# Allegro board visualscope2.0.brd (continued)
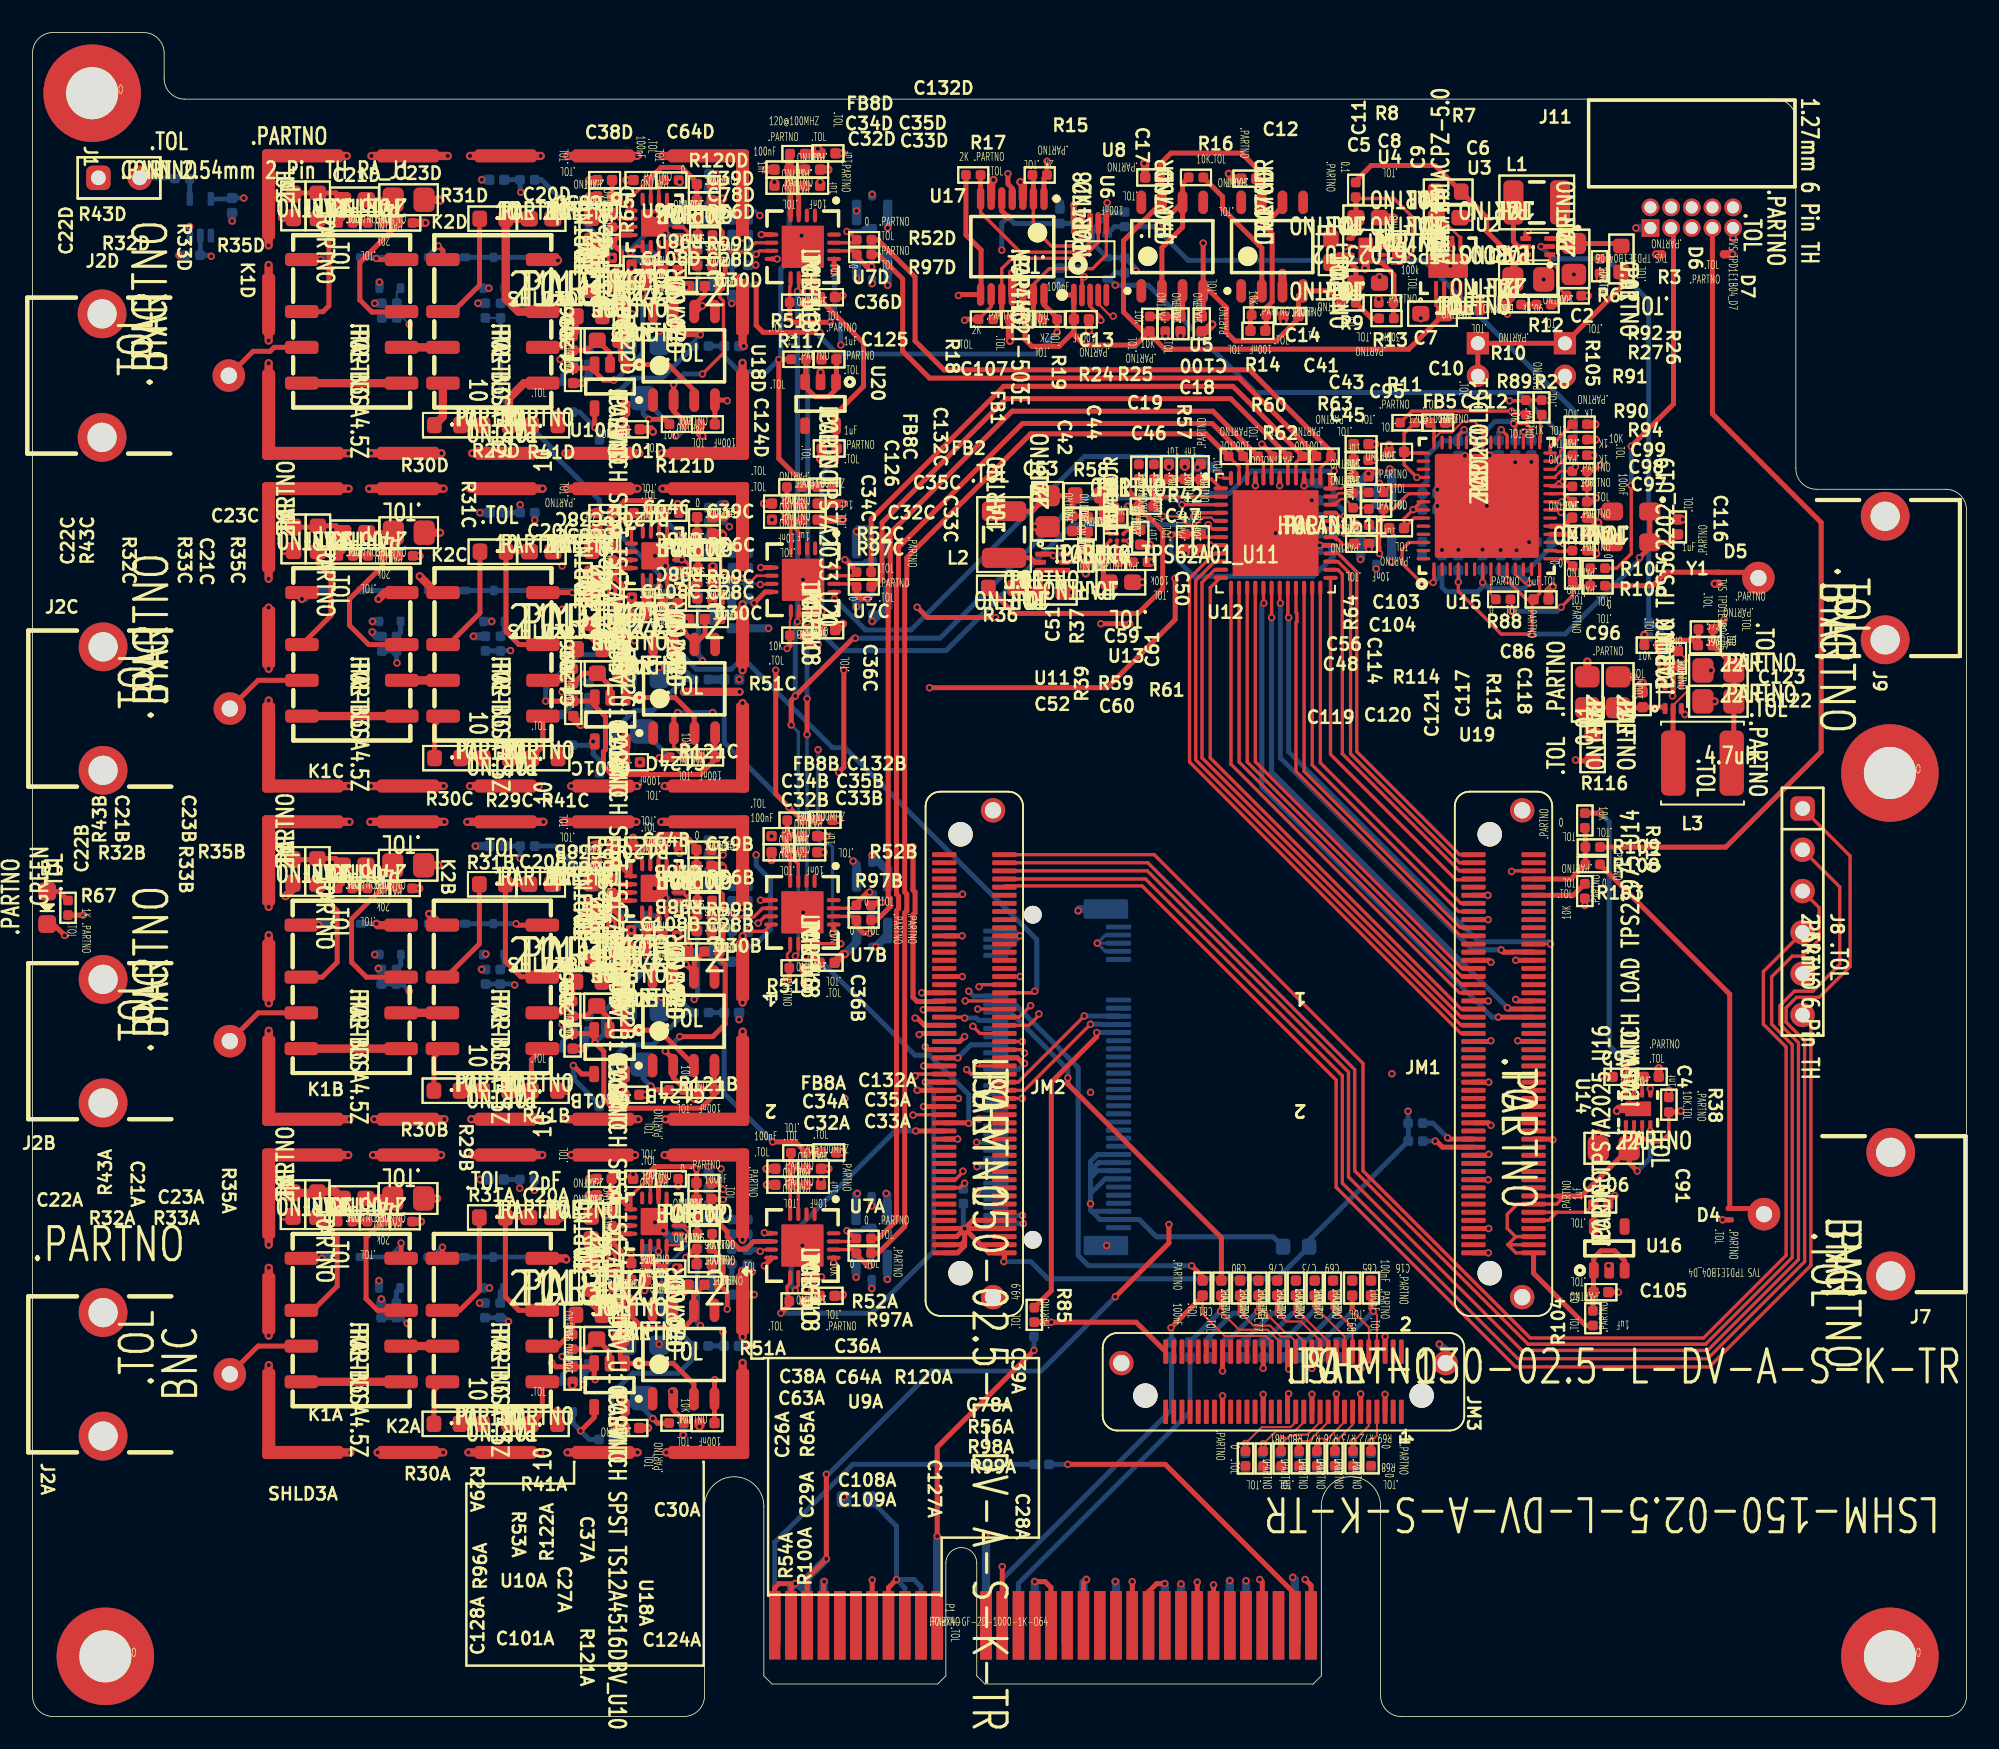
[diagram p0: board, top side]
## Routing (per net, layer and track width the routed paths; a pad name or vN(x,y) marks a point on that pad's centre or on a via; arc(x,y) is an arc through that point) (continued)
VDDH: length 51.4
  TOP w0.127: v1(89.36,79.04) 88.72,79.67 88,79.67 87.32,78.99 86.61,78.99 86.23,78.61 ; v1(94.18,72.18) 94.06,72.18 94.01,72.23 U15.17 ; v1(92.1,69.71) 91.82,69.71 91.23,70.3 U15.11
  TOP w0.203: C95.1 84.46,77.73 U15.43 ; C95.1 84.39,77.02 v1(85.18,76.23) ; C95.1 84.39,78.93 FB5.2 C112.1 86.23,79.36 U15.42 ; U15.30 92.23,79.21 92.23,79.22 92.23,79.23 91.91,79.55 v1(91.13,79.55) 91.23,79.45 U15.32 ; U15.36 89.23,78.92 v1(89.36,79.04) ; U15.54 84.71,72.23 84.28,71.8 84.28,70.94 85.44,69.77 v1(86.18,69.77) 86.23,69.82 U15.1 ; v1(89.23,69.77) 89.23,69.77 U15.7
  PWR4 w0.305: v1(94.18,72.18) 90.13,76.23 v1(85.18,76.23)
  BOTTOM w0.305: C113.1 89.23,70.51 v1(89.23,69.77) ; v1(86.18,69.77) 86.73,70.31 ; 86.73,70.31 86.73,69.47 87,69.21 88.92,69.21 89.23,69.51 v1(89.23,69.77) ; 86.73,70.31 C90.1 ; v1(89.36,79.04) 89.99,79.67 91.01,79.67 v1(91.13,79.55) 91.16,79.57 91.23,79.5 C88.1 ; v1(89.23,69.77) 89.61,69.39 91.77,69.39 v1(92.1,69.71) 92.1,69.74 C93.1 92.02,70.53 93.46,71.97 C94.1 94.12,72.24 v1(94.18,72.18)
+VBIAS: length 107.7
  TOP w0.305: U8.6 70.76,94.31 R16.1 ; U8.6 69.54,91.94 v1(69.54,91.86) ; U8.6 70.76,91.63 69.49,90.36 U8.2
  PWR3 w0.305: v1(44.76,92.34) 43.86,92.34 42.94,91.43 42.94,88.62 43.76,87.8 43.76,85.39 43.13,84.75 43.13,83.1 43.51,82.72 43.51,73.83 v1(42.87,73.2) 43,73.07 43,72.43 42.37,71.8 42.37,53.13 v1(42.49,53) 41.86,52.37 41.86,48.56 42.37,48.05 v1(42.37,33.7)
  PWR4 w0.305: v1(44.76,92.34) 50.15,92.34 50.37,92.12 51,92.12 51.22,92.34 52.69,92.34 53.42,91.61 69.29,91.61 v1(69.54,91.86)
  BOTTOM w0.127: FB6B.1 C130B.1 42.47,52.97 v1(42.49,53)
  BOTTOM w0.203: FB6D.1 41.89,92.98 42.24,92.63 44.47,92.63 v1(44.76,92.34) ; C130A.1 42.37,33.23 v1(42.37,33.7)
  BOTTOM w0.305: FB6D.1 C130D.1 ; FB6A.1 C130A.1 ; v1(42.87,73.2) 42.62,73.45 C130C.1 FB6C.1
+VFFE_FRONT END_CH1: length 39.6
  TOP w0.203: U9A.1 36.81,32.02 C64A.2 38.01,32.94 U9A.15 ; U9A.12 40.22,31.2 C78A.2
  TOP w0.305: C78A.2 C39A.1 v1(40.85,33.69) 40.71,33.83 38.3,33.83 37.87,33.4 C64A.2 ; U9A.1 35.94,32.07 C63A.1 C38A.1 ; v1(35.64,18.08) 35.97,17.75 C101A.2 36.46,17.79 U10A.5 ; v1(38.71,26.56) C37A.2 39.42,26.54 U18A.7
  BOTTOM w0.203: v1(40.85,33.69) 40.85,29.56 38.71,27.42 v1(38.71,26.56)
  BOTTOM w0.305: v1(38.71,26.56) 38.71,24.77 FB9A.2 40.67,22.04 39.76,21.13 36.93,21.13 35.64,19.83 v1(35.64,18.08) 35.76,17.96 R125A.2
+VFFE_FRONT END_CH2: length 34.6
  TOP w0.203: C78B.2 40.22,51.7 U9B.12 39.71,52.38 v1(39.83,52.49) ; U9B.1 36.81,52.52 C64B.2 38.01,53.43 U9B.15
  TOP w0.305: v1(39.7,44.49) 39.42,44.77 U18B.7 39.44,45.51 C37B.2 v1(39.19,47.06) ; U10B.5 36.42,39.49 C101B.2 v1(35.66,38.25) ; C78B.2 C39B.1 40.85,53.5 40.08,54.27 38.56,54.27 37.87,53.59 C64B.2 ; C38B.1 C63B.1 35.94,52.57 U9B.1
  PWR3 w0.305: v1(39.83,52.49) 39.7,52.37 39.7,50.38 39.19,49.87 v1(39.19,47.06)
  BOTTOM w0.305: 40.61,43.3 40.16,43.3 38.18,41.32 36.52,41.32 35.64,40.43 35.64,38.27 v1(35.66,38.25) 35.77,38.14 R125B.2 ; 40.61,43.3 FB9B.2 ; 40.61,43.3 39.7,44.21 v1(39.7,44.49)
+VFFE_FRONT END_CH3: length 35
  TOP w0.127: C37C.2 39.54,67.52 40.23,68.2 40.23,69.11 v1(39.83,69.51)
  TOP w0.152: C78C.2 40.26,72.16 U9C.12
  TOP w0.203: v1(39.83,72.69) 39.75,72.61 U9C.12 ; U9C.1 36.85,72.97 C64C.2 38.05,73.89 U9C.15
  TOP w0.305: C64C.2 37.91,74.71 v1(38,74.8) 36.44,74.8 C38C.1 C63C.1 ; C78C.2 C39C.1 ; v1(39.83,64.69) 39.46,65.05 U18C.7 39.48,65.97 C37C.2
  TOP w0.508: U10C.5 36.5,58.74 C101C.2 35.78,58.71 v1(35.76,58.72)
  BOTTOM w0.203: v1(39.83,72.69) 40.41,72.1 40.41,70.16 39.83,69.58 v1(39.83,69.51)
  BOTTOM w0.305: v1(39.83,72.69) 38,74.51 v1(38,74.8) ; R125C.2 35.78,58.7 v1(35.76,58.72) 35.76,60.62 37.03,61.89 38.18,61.89 40.08,63.8 FB9C.2 39.83,64.66 v1(39.83,64.69)
+VFFE_FRONT END_CH4: length 32.9
  TOP w0.203: C63D.1 35.96,93.52 U9D.1 36.84,93.46 C64D.2 38.04,94.38 U9D.15 ; v1(39.84,92.74) U9D.12
  TOP w0.305: v1(35.79,79.19) C101D.2 36.48,79.23 U10D.5 36.48,80.98 v1(36.02,81.45) ; v1(39.84,92.74) 40.34,92.74 C78D.2 C39D.1 40.88,94.37 39.95,95.29 38.67,95.29 C64D.2 ; C38D.1 C63D.1 ; v1(38.73,88) C37D.2 39.45,87.98 U18D.7 39.45,85.77 40.21,85.01 v1(41.1,85.01)
  PWR3 w0.305: v1(38.73,88) 39.06,88.33 39.06,90.21 39.84,90.99 v1(39.84,92.74)
  BOTTOM w0.203: v1(41.1,85.01) 40.7,84.61 FB9D.2
  BOTTOM w0.305: v1(35.79,79.19) 35.79,78.55 R125D.2 ; v1(36.02,81.45) 36.91,82.34 38.73,82.34 FB9D.2
+VPGA_FRONT END_CH1: length 7.8
  TOP w0.203: U7A.3 47.12,32.21 C32A.2 46.62,30.9 U7A.4
  TOP w0.305: C34A.2 C35A.2 ; C34A.2 C32A.2 C33A.2 ; C34A.2 46.67,33.74 FB8A.1
+VPGA_FRONT END_CH2: length 7.5
  TOP w0.203: U7B.4 46.62,52.94 ; 46.62,52.94 C32B.2 ; 46.62,52.94 47.12,52.44 U7B.3
  TOP w0.305: C34B.2 C35B.2 ; C34B.2 46.44,54.2 FB8B.1 ; C34B.2 C32B.2 C33B.2
+VPGA_FRONT END_CH3: length 7.9
  TOP w0.203: U7C.4 46.66,73.39 C32C.2 46.42,73.59 47.16,72.85 U7C.3
  TOP w0.305: C33C.2 C32C.2 C34C.2 ; FB8C.1 C34C.2 ; C34C.2 C35C.2
+VPGA_FRONT END_CH4: length 7.8
  TOP w0.305: U7D.3 47.15,93.6 46.65,94.1 ; 46.65,94.1 U7D.4 ; 46.65,94.1 C32D.2
  TOP w0.508: C34D.2 C32D.2 C33D.2 ; C34D.2 C35D.2 ; C34D.2 46.57,96.1 FB8D.1
+VUSB: length 13.2
  TOP w0.305: R3.2 97.76,87.95 J13.1 J12.1 J12.2
-VBIAS: length 127.9
  TOP w0.305: C100.1 75.91,85.3 R14.2 75.91,86.68 76.28,87.04 76.28,91.23 v1(75.77,91.74) 76.91,92.88 U5.6
  PWR3 w0.305: v1(40.21,89.58) 40.21,89.32 40.97,88.56 40.97,87.29 40.59,86.91 40.59,78.66 40.97,78.28 40.97,69.26 40.72,69 40.72,68.12 41.22,67.61 v1(41.22,64.94) 41.35,64.81 41.35,59.1 41.1,58.84 41.1,44.49 v1(40.72,44.11) 40.72,40.43 40.21,39.92 40.21,32.94 41.22,31.92 41.22,24.17 v1(41.1,24.05)
  PWR4 w0.305: v1(40.21,89.58) 43.38,89.58 44.27,90.47 46.05,90.47 46.81,89.71 73.74,89.71 v1(75.77,91.74)
  BOTTOM w0.305: FB4A.2 40.92,27.89 C129A.1 40.92,24.23 v1(41.1,24.05) ; FB4C.2 C129C.1 40.97,65.32 41.22,65.07 v1(41.22,64.94) ; FB4B.2 C129B.1 40.93,44.33 v1(40.72,44.11) ; v1(40.21,89.58) 40.39,89.4 FB4D.2 40.94,88.97 40.97,88.94 40.97,88.01 C129D.1
-VFFE_FRONT END_CH1: length 43.7
  TOP w0.127: 39.95,30.2 40.26,30.2 v1(40.33,30.27)
  TOP w0.152: U9A.8 39.75,29 40.32,29.56 40.32,29.83 39.95,30.2 U9A.10
  TOP w0.203: U9A.5 37.51,28.13 C108A.2 38.01,28.14 U9A.6 ; C127A.2 39.01,27.81 U9A.8
  TOP w0.305: v1(37.67,26.21) 37.76,26.3 C109A.1 C108A.2 38.43,27.88 C127A.2 ; C124A.1 U18A.4 41.96,20.7 v1(41.99,20.72) ; v1(31.95,21.76) 32.2,21.51 C128A.2 34.34,21.51 U10A.3 34.56,20.78 v1(34.62,20.72)
  PWR3 w0.305: v1(34.62,20.72) 37.67,23.77 v1(37.67,26.21)
  PWR4 w0.305: v1(30.88,32.37) 31.96,31.29 39.32,31.29 v1(40.33,30.27) ; v1(34.62,20.72) v1(41.99,20.72)
  BOTTOM w0.305: v1(37.67,26.21) 37.73,26.27 C102A.2 37.72,26.88 R55A.2 ; C110A.1 v1(40.33,30.27) ; v1(30.88,32.37) FB10A.2
-VFFE_FRONT END_CH2: length 43.3
  TOP w0.127: v1(34.62,41.45) 34.62,42.16 U10B.3 ; 39.95,50.7 v1(40.31,50.7)
  TOP w0.152: U9B.10 39.95,50.7 40.32,50.33 40.32,50.06 39.75,49.5 U9B.8
  TOP w0.203: U9B.5 37.51,48.62 C108B.2 38.01,48.64 U9B.6 ; U9B.8 39.01,48.31 C127B.2
  TOP w0.305: U18B.4 C124B.1 41.96,38.25 41.14,37.42 35.72,37.42 35.15,37.99 35.15,40.91 v1(34.62,41.45) 34.56,41.51 U10B.3 34.34,42.01 C128B.2 ; v1(37.76,46.82) C109B.1 C108B.2 38.43,48.38 C127B.2
  BOTTOM w0.305: v1(34.62,41.45) 35.13,41.95 35.13,43.35 37.76,45.98 v1(37.76,46.82) 37.76,47.35 C102B.2 37.75,48.37 R55B.2 37.6,48.37 37.03,48.94 36.78,48.94 32.17,53.55 FB10B.2 ; v1(40.31,50.7) 39.81,50.7 C110B.1
-VFFE_FRONT END_CH3: length 48.7
  TOP w0.127: U9C.10 39.76,71.16 v1(39.95,71.16)
  TOP w0.203: U9C.5 37.55,69.08 C108C.2 ; v1(37.41,67.23) 37.8,67.61 C109C.1 ; U9C.6 38.05,69.1 C108C.2 ; C108C.2 38.47,68.84 C127C.2 39.05,68.77 U9C.8 39.51,69.96 39.57,70.02 39.89,70.02 40.38,70.51 40.38,70.86 40.09,71.16 U9C.10
  TOP w0.305: U18C.4 C124C.1 42,58.87 41.09,57.96 35.64,57.96 35.13,58.46 35.13,59.35 35.25,59.48 35.25,61.51 34.6,62.17 U10C.3 34.38,62.47 C128C.2 v1(31.57,62.47) ; C108C.2 C109C.1
  PWR3 w0.305: v1(31.57,62.47) 30.9,63.13 v1(30.9,73.61)
  BOTTOM w0.127: C110C.1 39.84,71.28 v1(39.95,71.16)
  BOTTOM w0.203: FB10C.2 v1(30.9,73.61)
  BOTTOM w0.305: R55C.2 37.74,67.88 C102C.2 37.76,67.57 v1(37.41,67.23) 37.03,66.85 36.52,66.85 35,65.32 33.63,65.32 31.57,63.26 v1(31.57,62.47)
-VFFE_FRONT END_CH4: length 42.7
  TOP w0.203: 37.79,89.96 37.79,89.33 C108D.2 ; 37.79,89.96 37.54,90.21 U9D.5 37.13,90.44 v1(36.78,90.09) ; 37.79,89.96 38.04,90.21 U9D.6 ; C127D.2 39.04,89.25 U9D.8 39.19,90.59 39.97,90.59 40.37,90.99 40.37,91.29 40.02,91.64 U9D.10
  TOP w0.305: v1(42.75,80.94) 42.7,80.99 U18D.4 C124D.1 ; v1(35.76,82.21) 35.13,82.21 34.58,82.76 U10D.3 34.37,82.95 C128D.2 ; C127D.2 38.45,89.32 C108D.2 C109D.1 37.79,87.92 37.54,87.67 v1(37.54,87.55)
  PWR4 w0.305: v1(42.75,80.94) 37.29,80.94 36.02,82.21 v1(35.76,82.21)
  BOTTOM w0.305: FB10D.2 31.31,94.54 35.51,90.34 36.52,90.34 v1(36.78,90.09) ; C110D.1 38.34,91.78 36.78,90.21 v1(36.78,90.09) ; v1(35.76,82.21) 35.89,82.21 37.54,83.86 v1(37.54,87.55) 37.54,87.67 37.76,87.89 C102D.2 ; v1(36.78,90.09) 37.5,89.37 R55D.2
AC0: length 1.6
  TOP w0.203: U15.23 94.25,75.23 R94.2
AC1: length 1.4
  TOP w0.203: U15.22 94.07,74.73 v1(94.08,74.72)
  BOTTOM w0.305: R93.2 94.12,74.68 v1(94.08,74.72)
AC2: length 2.3
  TOP w0.203: U15.28 93.38,78.13 R92.2
ACQ_EN: length 49.2
  TOP w0.203: JM2.52 60.82,41.02 v1(61.04,40.81) ; U14.3 99.04,35.7 99.39,35.35 100.18,35.35 100.69,35.86 R38.2
  TOP w0.305: R38.2 101.35,37.19 v1(101.42,37.25)
  PWR4 w0.305: v1(101.42,37.25) 101.42,39.29 99.9,40.81 v1(61.04,40.81)
ADC_CLK_C_N: length 2.8
  TOP w0.152: U12.34 79.92,74.61 80.12,74.61 80.24,74.72 80.33,74.72 80.5,74.9 80.77,74.9 81.03,74.64 81.03,74.59 R64.1 82.16,74.36 C104.1
ADC_CLK_C_P: length 2.5
  TOP w0.152: U12.35 80.16,75.05 80.36,75.26 R64.2 81.3,75.3 C103.1
ADC_CLK_N: length 7.1
  TOP w0.203: v1(82.88,71.54) 82.88,73.38 83.13,73.63 C104.2 83.72,74.29 84.66,75.23 U15.48
  BOTTOM w0.305: v1(82.88,71.54) 82.88,71.93 82.68,72.13 J5.1
ADC_CLK_P: length 4.7
  TOP w0.203: v1(82.88,75.86) 83.13,75.62 C103.2 83.55,75.73 U15.47
  BOTTOM w0.305: J6.1 82.68,75.66 v1(82.88,75.86)
ADC_PD: length 1.7
  TOP w0.203: v1(72.34,73.32) 72.61,73.05 U12.6
  BOTTOM w0.305: R46.1 71.91,72.89 v1(72.34,73.32)
ADC_RSTN: length 4.9
  TOP w0.127: v1(69.54,73.83) 70.56,73.83 71.07,73.32 71.58,73.32 72.01,73.76 72.54,73.76 72.72,73.58 73.09,73.58 U12.5
  BOTTOM w0.305: v1(69.54,73.83) 69.13,74.25 R44.1
ATTEN_1: length 48.3
  TOP w0.203: v1(54.18,37) 54.2,37.02 JM2.35
  PWR4 w0.305: v1(54.18,37) 53.16,35.98 53.16,26.21 48.21,21.25 25.98,21.25 v1(23.06,24.17)
  BOTTOM w0.305: R49A.2 R47A.2 22.7,24.54 v1(23.06,24.17)
ATTEN_2: length 37
  TOP w0.203: JM2.45 54.41,39.52 v1(54.3,39.41)
  PWR4 w0.305: v1(54.3,39.41) 28.4,39.41 v1(23.19,44.62)
  BOTTOM w0.305: v1(23.19,44.62) 22.75,45.06 R47B.2 R49B.2
ATTEN_3: length 45.7
  TOP w0.305: v1(54.56,41.95) 54.63,42.02 JM2.55
  PWR4 w0.305: v1(22.43,64.81) 22.43,63.29 36.78,48.94 37.67,48.94 38.05,48.56 38.42,48.56 40.07,46.91 41.73,46.91 46.68,41.95 v1(54.56,41.95)
  BOTTOM w0.305: R49C.2 R47C.2 22.4,64.84 v1(22.43,64.81)
ATTEN_4: length 61.1
  TOP w0.203: JM2.62 v1(58.16,43.52)
  PWR3 w0.305: v1(32.59,68.12) v1(32.59,70.78)
  PWR4 w0.305: v1(58.16,43.52) 57.65,43.52 57.61,43.48 56.84,43.48 56.46,43.86 56.46,44.49 41.1,59.86 40.84,59.86 v1(32.59,68.12) ; v1(32.59,70.78) 32.59,75.1 23.19,84.5 v1(23.19,85.64)
  BOTTOM w0.127: v1(23.19,85.64) 22.79,86.04 R47D.2 R49D.2
ATTEN_OUT_FRONT END_CH1: length 3.5
  TOP w0.305: R53A.1 33.24,24.5 R96A.2 33.05,23.49 32.35,22.79 K2A.6
ATTEN_OUT_FRONT END_CH2: length 3.5
  TOP w0.305: K2B.6 32.52,43.29 33.23,43.99 R96B.2 33.24,45 R53B.1
ATTEN_OUT_FRONT END_CH3: length 3.5
  TOP w0.305: R53C.1 33.27,65.46 R96C.2 33.27,64.45 32.69,63.88 32.69,63.87 32.57,63.75 K2C.6
ATTEN_OUT_FRONT END_CH4: length 3.5
  TOP w0.305: R53D.1 33.46,85.14 R96D.2 32.94,84.62 32.93,84.62 32.55,84.23 K2D.6
CH1_N: length 69.2
  TOP w0.203: U12.47 74.24,76.88 R57.2
  TOP w0.305: R97A.2 52.03,28.5 53.67,30.14 53.67,49.45 53.8,49.57 53.8,50.59 53.67,50.72 53.67,69.51 53.8,69.64 53.8,71.29 61.42,78.91 72.21,78.91 R57.2
CH1_P: length 70.3
  TOP w0.203: U12.46 74.74,77.28 R57.1
  TOP w0.305: R57.1 74.49,77.65 72.59,79.55 60.91,79.55 53.29,71.93 53.29,69.77 53.16,69.64 53.16,50.59 53.29,50.46 53.29,49.7 53.16,49.57 53.16,30.52 52.04,29.41 R52A.2
CH2_N: length 53
  TOP w0.203: R60.2 75.41,77.47 75.74,77.13 U12.44
  TOP w0.305: R60.2 72.63,80.31 60.27,80.31 52.78,72.81 52.78,69.89 52.65,69.77 52.65,50.46 52.78,50.34 52.78,49.83 51.96,49 R97B.2
CH2_P: length 47.8
  TOP w0.203: R60.1 76.24,77.46 U12.43
  TOP w0.305: v1(70.31,70.02) 70.31,67.48 66.12,63.29 v1(55.19,63.29) ; v1(52.27,50.08) 51.96,50.08 51.78,49.9 R52B.2 ; R60.1 76.31,77.61 v1(75.64,78.28)
  PWR3 w0.203: v1(70.31,70.02) 70.31,72.18 70.69,72.56 70.69,73.83 72.72,75.86 73.35,75.86 75.64,78.15 v1(75.64,78.28)
  PWR4 w0.305: v1(52.27,50.08) 52.27,60.37 v1(55.19,63.29)
CH3_N: length 35.3
  TOP w0.203: U12.41 77.24,77.51 R62.2
  TOP w0.305: R62.2 77.22,77.58 73.74,81.07 59.89,81.07 52.27,73.45 52.27,70.02 51.75,69.5 R97C.2
CH3_P: length 36.5
  TOP w0.203: R62.1 77.74,77.15 U12.40
  TOP w0.305: R62.1 78.12,77.57 73.86,81.83 59.77,81.83 51.61,73.67 R52C.2
CH4_N: length 36.6
  TOP w0.203: R63.2 78.74,77.27 U12.38
  TOP w0.305: R97D.2 52.03,89.95 53.54,88.44 53.54,83.99 55.19,82.34 74.24,82.34 79,77.58 R63.2
CH4_P: length 37.9
  TOP w0.203: R63.1 79.9,77.46 79.24,76.8 U12.37
  TOP w0.305: R63.1 79.9,77.83 74.88,82.85 56.08,82.85 54.3,84.63 54.3,88.56 52.02,90.85 R52D.2
D1A_N: length 36.9
  TOP w0.203: U12.10 72.74,71.05 71.58,69.89 71.58,58.84 87.9,42.52 JM1.57
D1A_P: length 38.2
  TOP w0.203: U12.9 72.73,71.55 71.2,70.02 71.2,58.72 87.89,42.02 JM1.55
D1B_N: length 34
  TOP w0.203: U12.12 73.08,70.05 72.47,69.44 72.47,58.97 87.91,43.52 JM1.61
D1B_P: length 35.6
  TOP w0.203: JM1.59 87.91,43.02 71.96,58.97 71.96,69.77 72.72,70.53 72.85,70.53 72.87,70.55 U12.11
D2A_N: length 30.8
  TOP w0.203: U12.14 74.24,58.72 87.94,45.02 JM1.67
D2A_P: length 31.6
  TOP w0.203: JM1.65 87.8,44.52 73.74,58.59 U12.13
D2B_N: length 29.4
  TOP w0.203: U12.16 75.24,58.74 87.96,46.02 JM1.71
D2B_P: length 30.1
  TOP w0.203: JM1.69 87.95,45.52 74.74,58.73 U12.15
D3A_N: length 25.7
  TOP w0.203: U12.22 78.24,58.15 87.83,48.56 88.18,48.56 88.21,48.52 JM1.81
D3A_P: length 26.4
  TOP w0.203: U12.21 77.74,67.92 77.8,67.86 77.8,67.35 77.74,67.3 77.74,58.14 87.83,48.05 88.09,48.05 88.11,48.02 JM1.79
D3B_N: length 23.8
  TOP w0.203: U12.24 79.24,58.67 87.89,50.02 JM1.87
D3B_P: length 24.5
  TOP w0.203: JM1.85 87.76,49.52 78.74,58.54 U12.23
D4A_N: length 22.9
  TOP w0.203: JM1.95 87.8,52.02 80.59,59.23 80.59,70.27 80.32,70.55 U12.26
D4A_P: length 22.9
  TOP w0.203: JM1.93 88.62,51.48 87.58,51.48 79.87,59.19 U12.25
D4B_N: length 22.9
  TOP w0.203: U12.28 80.34,71.55 81.48,70.41 81.48,59.35 87.81,53.02 JM1.99
D4B_P: length 22.9
  TOP w0.203: JM1.97 87.81,52.52 81.1,59.23 81.1,70.27 80.32,71.05 U12.27
DC_CPL_1: length 33.6
  TOP w0.305: JM2.37 v1(54.83,37.52)
  PWR4 w0.305: v1(54.83,37.52) 53.81,37.52 45.92,29.63 45.92,26.33 41.73,22.14 v1(32.59,22.14)
  BOTTOM w0.305: v1(32.59,22.14) 33.03,22.58 R126A.2 R127A.2
DC_CPL_2: length 26.4
  TOP w0.305: JM2.47 v1(54.84,40.02)
  PWR4 w0.305: v1(32.59,42.59) 32.71,42.59 33.35,41.95 38.94,41.95 39.57,41.32 41.86,41.32 43.16,40.02 v1(54.84,40.02)
  BOTTOM w0.305: R127B.2 R126B.2 33.06,43.06 v1(32.59,42.59)
DC_CPL_3: length 34.7
  TOP w0.305: JM2.57 54.88,42.52 54.43,42.97 v1(54.3,42.97)
  PWR4 w0.305: v1(32.59,63.04) 32.59,62.91 34.24,61.26 34.24,61 38.68,56.56 39.19,56.56 41.48,54.27 41.99,54.27 43,53.26 43,53 45.54,50.46 45.54,49.7 52.27,42.97 v1(54.3,42.97)
  BOTTOM w0.305: R127C.2 R126C.2 33.13,63.57 v1(32.59,63.04)
DC_CPL_4: length 61.9
  TOP w0.203: JM2.64 v1(57.39,44.02)
  PWR4 w0.305: v1(32.46,83.48) 32.59,83.36 41.99,83.36 44.4,80.94 48.08,80.94 55.96,73.07 55.96,45.64 57.1,44.49 57.1,44.37 57.35,44.11 57.35,44.06 v1(57.39,44.02)
  BOTTOM w0.305: R127D.2 R126D.2 33.06,84.09 v1(32.46,83.48)
DC_CPLN_FRONT END_CH1: length 4.5
  TOP w0.305: v1(33.73,17.57) 34.56,18.4 U10A.4
  BOTTOM w0.305: Q5A.1 33.26,18.04 v1(33.73,17.57) 34.26,17.04 R125A.1
DC_CPLN_FRONT END_CH2: length 4.7
  TOP w0.305: v1(33.27,40.05) 33.8,39.52 U10B.4
  BOTTOM w0.305: v1(33.27,40.05) Q5B.1 34.87,37.66 R125B.1
DC_CPLN_FRONT END_CH3: length 3.5
  TOP w0.508: U10C.4 v1(34.49,59.98)
  BOTTOM w0.305: Q5C.1 34.26,59.75 v1(34.49,59.98) 34.49,59.23 34.88,58.84 R125C.1
DC_CPLN_FRONT END_CH4: length 3.8
  TOP w0.305: U10D.4 34.58,79.33 v1(34.62,79.29)
  BOTTOM w0.305: R125D.1 34.88,79.03 v1(34.62,79.29) 33.66,80.25 Q5D.1
EN1: length 3.3
  TOP w0.305: v1(86.31,35.4) 86.39,35.4 86.76,35.02 JM1.27
  BOTTOM w0.305: R102.1 v1(86.31,35.4)
FCLK_N: length 32.1
  TOP w0.127: JM1.78 v1(93.4,47.52)
  TOP w0.203: U12.20 77.24,67.66 v1(77.29,67.61)
  BOTTOM w0.305: v1(77.29,67.61) 77.29,59.35 88.98,47.67 93.26,47.67 v1(93.4,47.52)
FCLK_P: length 31
  TOP w0.203: U12.19 76.74,68.54 v1(76.78,68.5)
  TOP w0.305: v1(90.37,47.16) 90.51,47.02 91.05,47.02 91.05,47.03 92.35,47.03 JM1.76
  BOTTOM w0.305: v1(76.78,68.5) 76.78,58.97 88.59,47.16 v1(90.37,47.16)
FE_EN: length 84.5
  TOP w0.127: 100.93,64.03 100.64,64.32
  TOP w0.203: JM2.54 v1(60.91,41.52)
  TOP w0.305: U2.2 v1(92.82,90.43) ; R6.1 v1(96.94,89.67) ; v1(100.91,62.78) 100.95,62.82 U19.5 100.95,64.01 100.93,64.03 100.9,64.03 100.64,64.29 100.64,64.32 v1(100.53,64.43)
  PWR4 w0.305: v1(100.91,62.78) 79.65,41.52 v1(60.91,41.52)
  BOTTOM w0.305: v1(92.82,90.43) 93.58,89.67 v1(96.94,89.67) 96.94,89.61 99.44,87.12 R115.1 99.62,67.32 100.53,66.41 v1(100.53,64.43)
IF0: length 2.1
  TOP w0.152: U15.27 93.64,77.23 94.01,77.6 94.01,77.86 94.71,78.56 R27.2
IF1: length 1.7
  TOP w0.152: U15.26 93.64,76.73 94.5,77.59 R26.2
INTREF: length 1.8
  TOP w0.305: C98.2 96.72,72.73 Y1.3
JTAG_VREF: length 84
  TOP w0.203: J8.6 109.42,42.65 109.42,27.75 103.18,21.51 91.26,21.51 80.21,32.56 80.21,39.16 68.27,51.1 59.87,51.1 JM2.92
JTAGEN: length 3.4
  TOP w0.305: R103.2 95.51,51.23 94.8,50.52 JM1.90
LCLK_N: length 33.5
  TOP w0.203: U12.18 v1(76.24,67.61)
  TOP w0.305: v1(90.75,43.6) 90.84,43.52 JM1.62
  BOTTOM w0.305: v1(76.24,67.61) 76.24,58.12 v1(90.75,43.6)
LCLK_P: length 34.9
  TOP w0.203: v1(75.77,68.5) 75.74,68.52 U12.17
  TOP w0.305: JM1.60 v1(90.19,43.02)
  BOTTOM w0.305: v1(75.77,68.5) 75.64,68.37 75.64,57.19 89.81,43.02 v1(90.19,43.02)
LED: length 108.9
  TOP w0.203: JM1.96 91.04,52.02 v1(91.01,51.99)
  TOP w0.305: v1(1.98,48.05) 1.28,48.75 D1.1
  PWR3 w0.203: v1(65.1,38.4) 64.72,38.78 56.98,38.78 56.21,38.02 v1(49.99,38.02)
  PWR3 w0.305: v1(83.64,39.54) 83.64,41.95 91.01,49.32 v1(91.01,51.99)
  PWR4 w0.305: v1(49.99,38.02) 46.3,38.02 43.89,35.6 11.25,35.6 1.98,44.87 v1(1.98,48.05) ; v1(65.1,38.4) 82.5,38.4 v1(83.64,39.54)
MGT_CLK1_N: length 8.7
  TOP w0.127: v1(73.1,24.94) 74.24,23.79 76,23.79 76.72,23.07 JM3.32
  TOP w0.305: v1(73.1,24.94) 73.15,24.99 C80.2
  BOTTOM w0.305: v1(73.1,24.94) 71.22,23.06 C40.2
MGT_CLK1_P: length 10.4
  TOP w0.127: C81.2 72,24.77 73.35,23.41 75.88,23.41 76.22,23.07 JM3.34
  TOP w0.305: 72,25.86 v1(70.05,23.92)
  BOTTOM w0.305: v1(70.05,23.92) 70.08,23.89 C79.2
MGT_RX0_N: length 3.3
  TOP w0.127: JM3.7 82.72,17.29 v1(82.36,16.92)
  TOP w0.305: R68.1 v1(82.36,16.92)
  BOTTOM w0.305: R70.1 82.37,16.91 v1(82.36,16.92)
MGT_RX0_P: length 3.5
  TOP w0.127: JM3.9 82.22,17.88 v1(81.25,16.91)
  TOP w0.305: R69.1 v1(81.25,16.91)
  BOTTOM w0.305: v1(81.25,16.91) 81.27,16.9 R71.1
MGT_RX1_N: length 3.6
  TOP w0.127: v1(80.21,16.93) 81.22,17.95 JM3.13
  TOP w0.305: v1(80.21,16.93) 80.14,16.86 R72.1
  BOTTOM w0.305: R74.1 80.15,16.87 v1(80.21,16.93)
MGT_RX1_P: length 4.1
  TOP w0.127: JM3.15 80.72,18.12 79.54,16.93 v1(79.32,16.93)
  TOP w0.305: v1(79.32,16.93) 79.03,16.64 R73.1
  BOTTOM w0.305: R75.1 79.02,16.63 v1(79.32,16.93)
MGT_RX2_N: length 4.2
  TOP w0.127: JM3.19 79.72,18.12 78.53,16.92 v1(77.94,16.92)
  TOP w0.305: R76.1 v1(77.94,16.92)
  BOTTOM w0.305: R78.1 77.9,16.88 v1(77.94,16.92)
MGT_RX2_P: length 5.1
  TOP w0.127: v1(76.91,17.06) 77.14,17.06 77.37,17.29 77.72,17.29 77.77,17.34 78.45,17.34 79.22,18.12 JM3.21
  TOP w0.305: v1(76.91,17.06) 76.83,16.99 R77.1
  BOTTOM w0.305: R79.1 76.77,16.92 v1(76.91,17.06)
MGT_RX3_N: length 4.7
  TOP w0.127: v1(75.73,16.77) 76.51,17.55 77.61,17.55 77.66,17.6 77.7,17.6 78.22,18.12 JM3.25
  TOP w0.305: R80.1 v1(75.73,16.77)
  BOTTOM w0.305: R82.1 75.67,16.71 v1(75.73,16.77)
MGT_RX3_P: length 5.3
  TOP w0.127: JM3.27 77.72,18.12 77.41,17.8 75.64,17.8 v1(74.64,16.8)
  TOP w0.305: R81.1 v1(74.64,16.8)
  BOTTOM w0.305: v1(74.64,16.8) 74.64,16.22 R83.1
MGT_TX0_N: length 6.6
  TOP w0.127: JM3.8 82.72,24.71 v1(82.5,24.94)
  TOP w0.305: C16.2 82.36,25.08 v1(82.5,24.94)
  BOTTOM w0.305: v1(82.5,24.94) 80.57,23.01 C62.2
MGT_TX0_P: length 6.7
  TOP w0.127: v1(81.23,24.94) 82.22,23.94 JM3.10
  TOP w0.305: C65.2 81.2,24.96 v1(81.23,24.94)
  BOTTOM w0.305: C15.2 79.3,23.01 v1(81.23,24.94)
MGT_TX1_N: length 6.9
  TOP w0.127: v1(80.21,24.94) 81.22,23.92 JM3.14
  TOP w0.305: v1(80.21,24.94) 80.02,25.13 C68.2
  BOTTOM w0.305: v1(80.21,24.94) 78.29,23.01 C66.2
MGT_TX1_P: length 7.3
  TOP w0.127: v1(79.18,24.94) 80.72,23.39 JM3.16
  TOP w0.305: v1(79.18,24.94) 78.89,25.22 C69.2
  BOTTOM w0.305: C67.2 76.9,23.02 78.82,24.94 v1(79.18,24.94)
MGT_TX2_N: length 7.2
  TOP w0.127: JM3.20 79.72,23.07 77.98,24.81 v1(77.8,24.81)
  TOP w0.305: C72.2 77.74,24.87 v1(77.8,24.81)
  BOTTOM w0.305: C70.2 77.53,24.81 v1(77.8,24.81)
MGT_TX2_P: length 7.9
  TOP w0.127: v1(76.66,24.81) 77.16,24.3 78.05,24.3 79.22,23.13 JM3.22
  TOP w0.305: v1(76.66,24.81) 76.59,24.87 C73.2
  BOTTOM w0.305: C71.2 74.64,23.17 76.28,24.81 v1(76.66,24.81)
MGT_TX3_N: length 7.9
  TOP w0.127: JM3.26 78.22,23.07 77.66,23.64 77.07,23.64 75.77,24.94 v1(75.39,24.94)
  TOP w0.305: C76.2 75.44,24.99 v1(75.39,24.94)
  BOTTOM w0.305: v1(75.39,24.94) 73.48,23.03 C74.2
MGT_TX3_P: length 8.8
  TOP w0.127: v1(74.37,24.81) 75.13,24.05 76.15,24.05 76.81,23.38 77.41,23.38 77.72,23.07 JM3.28
  TOP w0.305: C77.2 74.31,24.87 v1(74.37,24.81)
  BOTTOM w0.305: v1(74.37,24.81) 73.86,24.81 72.35,23.3 C75.2
N00003_ADC_PLL: length 1.4
  TOP w0.203: C97.1 94.37,71.73 94.31,71.67 93.8,71.67 93.75,71.73 U15.16
N00003_FRONT END_CH1: length 4.9
  TOP w0.305: R56A.2 42.75,29.83 42.75,29.51 43.51,28.75 43.89,28.75 44.37,29.22 U7A.6
N00003_FRONT END_CH2: length 5.2
  TOP w0.203: U7B.6 44.92,49.72 44.39,49.19 43.13,49.19 42.49,49.83 42.49,50.58 R56B.2
N00003_FRONT END_CH3: length 4.9
  TOP w0.152: U7C.6 44.56,70.18 44.27,69.89 43.13,69.89 42.37,70.66 42.37,71.27 41.91,71.72 R56C.2
N00003_FRONT END_CH4: length 5.3
  TOP w0.203: U7D.6 44.47,90.67 43.89,90.09 43,90.09 42.49,90.6 42.49,91.36 41.84,92.01 R56D.2
N00067_FRONT END_CH1: length 1
  BOTTOM w0.305: Q3A.2 22.39,26.13 R47A.1
N00067_FRONT END_CH2: length 1
  BOTTOM w0.305: R47B.1 22.66,46.23 Q3B.2
N00067_FRONT END_CH3: length 1
  BOTTOM w0.305: R47C.1 22.65,66.69 Q3C.2
N00067_FRONT END_CH4: length 1
  BOTTOM w0.127: Q3D.2 22.42,87.64 R47D.1
N00069_FRONT END_CH1: length 3.9
  TOP w0.305: K1A.8 v1(22.68,29.13)
  BOTTOM w0.305: D2A.2 Q3A.1 22.68,28.97 v1(22.68,29.13)
N00069_FRONT END_CH2: length 3.4
  TOP w0.508: v1(21.16,48.77) 21.25,48.69 K1B.8
  BOTTOM w0.305: D2B.2 v1(21.16,48.77) Q3B.1
N00069_FRONT END_CH3: length 4.3
  TOP w0.508: K1C.8 21.68,69.15 v1(21.28,68.75)
  BOTTOM w0.127: Q3C.1 21.99,69.27 21.8,69.27
  BOTTOM w0.305: D2C.2 21.81,69.27 ; 21.81,69.27 v1(21.28,68.75) ; 21.81,69.27 Q3C.1
N00069_FRONT END_CH4: length 3.4
  TOP w0.305: v1(21.16,89.71) 21.23,89.63 K1D.8
  BOTTOM w0.305: Q3D.1 21.22,89.77 v1(21.16,89.71) 21.09,89.77 D2D.2
N00077_FRONT END_CH1: length 0.9
  TOP w0.305: R32A.2 R33A.1
N00077_FRONT END_CH2: length 0.9
  TOP w0.305: R32B.2 R33B.1
N00077_FRONT END_CH3: length 0.9
  TOP w0.305: R32C.2 R33C.1
N00077_FRONT END_CH4: length 0.9
  TOP w0.305: R33D.1 R32D.2
N00085_FRONT END_CH1: length 2.5
  TOP w0.508: K2A.3 K1A.6
N00085_FRONT END_CH2: length 2.5
  TOP w0.508: K2B.3 K1B.6
N00085_FRONT END_CH3: length 2.5
  TOP w0.508: K2C.3 K1C.6
N00085_FRONT END_CH4: length 2.5
  TOP w0.508: K1D.6 K2D.3
N00105_FRONT END_CH1: length 1
  BOTTOM w0.305: R48A.1 28.78,26.15 Q4A.2
N00105_FRONT END_CH2: length 1
  BOTTOM w0.305: Q4B.2 29.01,46.19 R48B.1
N00105_FRONT END_CH3: length 1
  BOTTOM w0.305: R48C.1 29.03,66.7 Q4C.2
N00105_FRONT END_CH4: length 1
  BOTTOM w0.305: Q4D.2 29.02,87.16 R48D.1
N00107_FRONT END_CH1: length 7.8
  TOP w0.508: K2A.8 32.76,28.19 v1(32.84,28.11)
  BOTTOM w0.305: D3A.2 Q4A.1 32.69,28.26 v1(32.84,28.11)
N00107_FRONT END_CH2: length 4.8
  TOP w0.305: v1(29.76,48.77) 29.84,48.69 K2B.8
  BOTTOM w0.305: D3B.2 Q4B.1 v1(29.76,48.77)
N00107_FRONT END_CH3: length 8.5
  TOP w0.305: K2C.8 v1(33.21,69.15)
  BOTTOM w0.305: v1(33.21,69.15) 33.08,69.27 Q4C.1 D3C.2
N00107_FRONT END_CH4: length 6.8
  TOP w0.508: v1(32.33,89.58) 32.28,89.63 K2D.8
  BOTTOM w0.305: D3D.2 Q4D.1 32.14,89.77 v1(32.33,89.58)
N00129_FRONT END_CH1: length 2.8
  TOP w0.305: K2A.4 24.7,20.06 R30A.1
N00129_FRONT END_CH2: length 2.8